# Altium PCB LAUNCHXL-F28379D-REV2.0.PcbDoc (part 2 of 4) (continued)
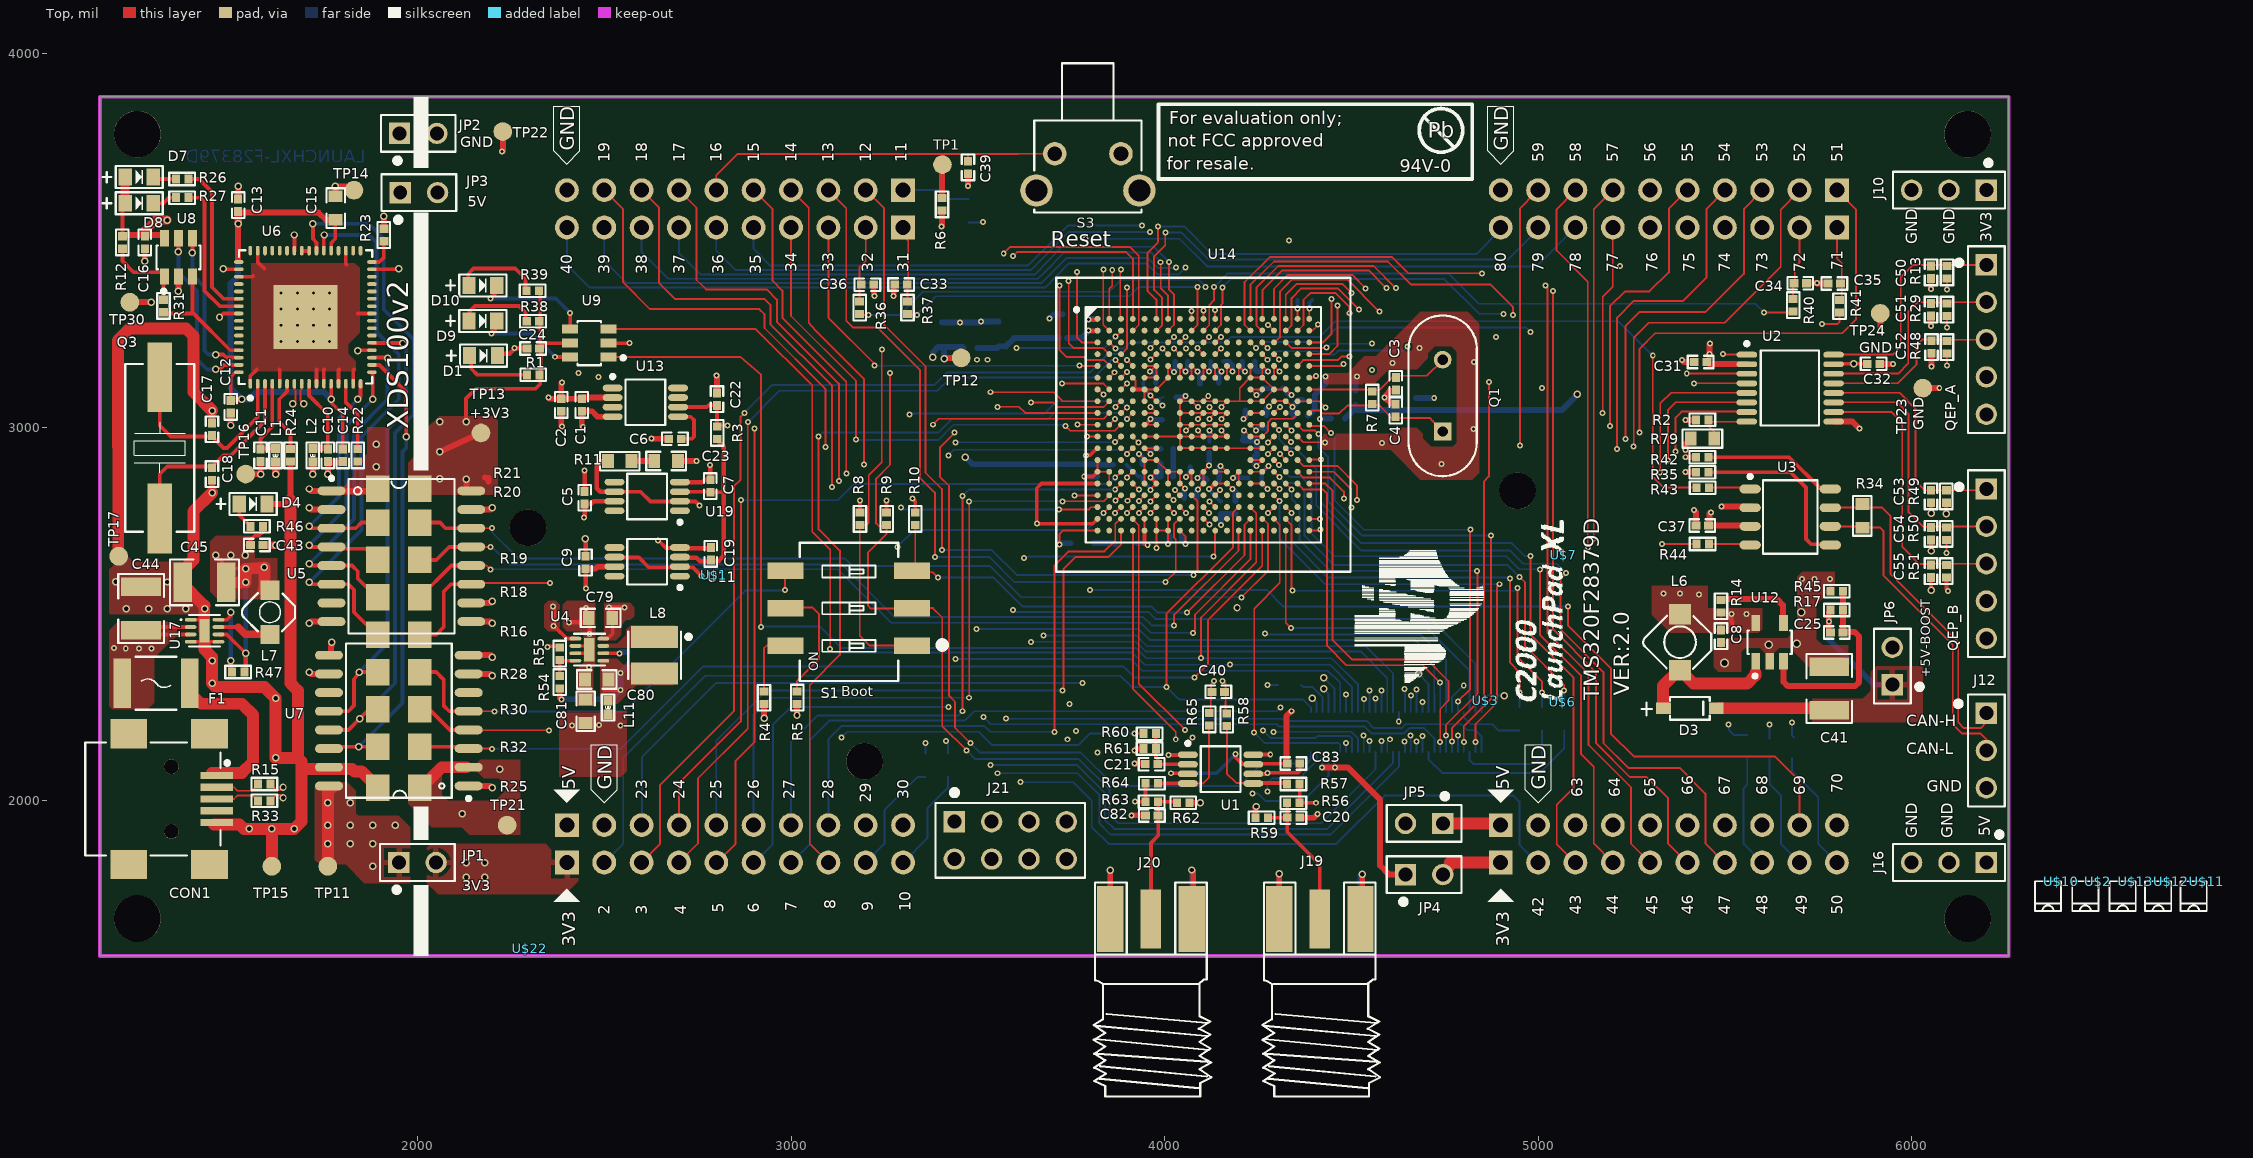
[diagram p0: Top view]
## Nets (pads, with @x,y where several pads share a name; then routed paths per layer and width w, separated by ;. In a path a pad name is that pad's centre, name@x,y a point inside that pad or via, vN(x,y) a via of type N, cw(c..) or ccw(c..) an arc to the next point about the centre after c; other vN are vias at no path point) (continued)
  Top w9: U4.3@2422.8,2395.16 2450.16,2395.16 U4.9@2460,2405 2450.16,2414.84 U4.2@2422.8,2414.84
  Top w10: v1@2349,2413 2349.69,2413.68 2381,2413.68 R55.1@2382.16,2414.84 ; C81.1@2446.54,2281.93 C81.1@2450,2278.46 ; U9.2@2511.09,3225.49 2567.49,3225.49 v1(2568,3226) ; v1(2644.5,2697.5) 2665.01,2676.99 2700.22,2676.99 U11.4@2700.11,2676.89 ; U19.4@2703.11,2852.89 U19.4@2703.44,2852.56 ; C19.1@2785.47,2680.97 C19.1@2786,2680.5 ; R8.1@3184.77,2771.52 v1@3184.77,2803.77 ; R9.1@3255.93,2771.83 v1@3255.93,2803.93 ; v1(3325,2810) 3332.51,2802.49 R10.1@3332.51,2771.65 ; v1(3785,2868.27) 3807.83,2868.27 U14.P1@3820.58,2881.02 ; U1.6@4237.6,2072.2 4272.2,2072.2 v1(4275,2075) 4356.83,2075 4362.95,2081.12 C83.1@4362.95,2099.96 ; v2(6052,2564) C55.1@6052,2595.32 ; v2(6052,2669) C54.1@6052,2695.32 ; v2(6052,2770) C53.1@6052,2795.32
  Top w12: D1.1@2210.96,3198.77 D1.1@2214.4,3198.77 ; D1.1@2214.4,3192 2220.05,3197.65 2247.35,3197.65 2260.85,3211.15 C24.1@2292.82,3211.15 ; v1(2406,2478) C79.1@2453.54,2478 ; v1(2447.5,2884) 2447.56,2883.94 C5.1@2447.56,2828.3 ; v2(2449,2702) 2450.04,2700.96 C9.1@2450.04,2654.94 ; v1(2451,2517) 2451,2480.54 C79.1@2453.54,2478 ; v1(2461,2447) 2461,2470.54 C79.1@2453.54,2478 ; U11.4@2700.22,2676.99 2781.48,2676.99 2784,2679.5 C19.1@2785.47,2680.97 ; U19.4@2703.11,2852.89 2703.23,2853 2763,2853 2769.61,2859.61 C7.1@2784.15,2859.61 2784.15,2898.85 v1(2783.5,2899.5) ; v1(3796,3288.5) 3818.61,3288.5 U14.A1@3820.58,3290.46
  Top w15: C2.1@2385,3043.27 2385,3004.5 v1(2387.5,3002) ; v1(2442.5,3001) 2440,3003.5 C1.1@2440,3043.27 2466.73,3043.27 2481.39,3028.61 U13.4@2522.4,3028.61 ; v1(2626.5,2970) 2627.3,2969.2 C6.1@2672.64,2969.2 ; C23.1@2697.1,2910.01 2746.99,2910.01 v1(2747.5,2909.5) ; v1(2800.5,3139) 2801.74,3137.76 C22.1@2801.74,3092.29 ; C36.1@3221.45,3381.93 3221.45,3354.55 v1(3224,3352) ; v1(3275,3352) 3275,3379.47 C33.1@3277.95,3382.42 ; J20.5@3854.44,1682 J20.5@3854.44,1683.5 3854.44,1813.44 v2(3855,1814) ; v1(3912,1961) 3912.09,1961.09 C82.1@3949.33,1961.09 ; v1(3920,2100) 3940.27,2100 3945.27,2095 C21.1@3948.51,2098.24 ; v3(3920,2135) 3925,2140 R61.2@3943.27,2140 ; R62.1@4066.73,1995 v2(4095,1995) ; v2(4073,1815) 4076.88,1811.12 J20.4@4076.88,1682 ; R59.1@4243.27,1955 4243.27,1983.27 v2(4245,1985) ; J19.5@4306.44,1680 4307,1680.56 v2(4307,1805) v2@4306.44,1804.44 ; C20.1@4361.73,1955 4400,1955 v1(4410,1965) ; J19.4@4528.88,1680 v2(4528.88,1804.12) ; v3(5385,3180) 5390,3175 C31.2@5413.27,3175 ; v1(5395,2920) R42.2@5423.27,2920 ; v3(5395,2940) 5395,2956.5 R79.2@5408.5,2970 ; v1(5417.5,2778.5) 5422.77,2773.23 C37.1@5422.77,2737.5
  Top w16: U7.8@2131.1,2390 U7.8@2137.01,2390 2195,2390 v2(2200,2385) ; U5.9@2131.1,2480 U5.9@2144.02,2480 2195,2480 v2(2200,2475) ; U5.15@2131.1,2780 U5.15@2144.02,2780 2195,2780 v2(2200,2785) ; v1(2226,3738) 2228.44,3740.44 TP22.TP@2228.44,3792 ; C39.2@3473.73,3676.05 3473.73,3646.27 v1(3474,3646) ; v1(5490.5,2787.5) U3.2@5574,2787.5 ; v1(5747,3387) 5726,3387 5726.83,3386.17 5742.7,3385.83 5746.97,3385.74 C35.1@5773.49,3385.17 ; U2.9@5791.14,3015.43 5841.57,3015.43 v1(5860,2997) ; v1(5916,3259) 5916.08,3259.08 TP24.TP@5916.08,3305.17 ; C32.1@5917.69,3170 v1(5950,3170) ; TP23.TP@6030,3105 v1(6074,3105) ; v1(6052,3271) C51.1@6052,3295.32 ; v1(6052,3370) C50.1@6052,3395.32 ; v1(6053,3163) C52.1@6053,3195.32
  Top w32: R25.2@2005.98,2035 2010,2035 2065,2090 U7.2@2131.1,2090
  GND w5: v1(3185,2804) v1(3256,2804)
  GND w10: v2(6052,2564) v2(6052,2669) v2(6052,2770)
  GND w16: v1(4431,3136) v1(4515.5,3136) ; v1@6057,3164 v1@6058,3163
  Bottom w5: C27.1@3937.88,2899.61 C27.1@3939.49,2898 ; C78.1@4148.69,2867.83 4149.13,2867.39 C78.1@4150.51,2866 ; C73.1@4267.57,2992 C73.1@4272.31,2996.76 ; v2(4426,2330) 4454.52,2301.48 J9.51@4454.52,2237.85 ; v1(4533,2175) 4533.26,2173.74 J9.42@4533.26,2131.15 ; v1(4627,2213) 4627.75,2215.25 J9.29@4627.75,2237.85 ; v2(4680,2340) 4706.49,2313.51 J9.19@4706.49,2237.85 ; v1(4785,2175) 4785.23,2174.77 J9.10@4785.23,2131.15 ; J9.1@4848.22,2237.85 4848.22,2272.22 4858,2282 v2(4910,2282)
  Bottom w10: v1@4053.27,2834.27 v1(4055,2836) ; v1@4114.57,3081.57 v1(4117,3084) ; v1(4120,2991) 4120.12,2990.88 C75.1@4120.12,2961.17 ; v1(4152,3054) v1@4153.3,3055.3 ; v1(4278,2896) v1@4280,2894 ; C76.1@4316.73,3105 C76.1@4321,3105 ; v1(4388,3318) 4388,3333.63 C64.1@4395.61,3341.24
  Bottom w12: C62.1@4157.21,3176.35 4173.65,3176.35 4182,3168 v1(4182,3150) ; v1(4276,2835) 4260.45,2850.55 C47.1@4260.45,2865.39 4260.45,2878.45 v1(4278,2896)
  Bottom w15: v1(3692,3291) 3703.5,3302.5 C69.1@3728,3302.5 ; v1(3719,2687) 3722,2690 C38.1@3748.5,2690 ; v1(3785,2868.27) C29.1@3820,2868.27 ; v1(3796,3288.5) 3798.23,3290.73 C60.1@3822,3290.73 ; J20.1@3854.44,1682 J20.1@3854.44,1683.5 3854.44,1813.44 v2(3855,1814) ; v1(3931,2929) 3940,2920 C27.1@3940,2901.73 ; v1(3961,3149) 3971,3149 3976.73,3143.27 C63.1@3976.73,3120 ; v1(4009.5,2688) 4013.27,2691.77 C65.1@4013.27,2710 ; C28.1@4022.63,2867.83 4023.78,2868.98 C30.1@4023.78,2904.5 4023.78,2942.4 C58.1@4023.42,2942.76 ; C57.2@4031.09,3080.17 4052.17,3080.17 v1(4056,3084) ; C42.1@4053.27,2810 v1@4053.27,2834.27 ; v1(4056,3149) 4061.73,3154.73 C61.1@4061.73,3175 ; J20.3@4072.56,1682 4073,1682.44 v2(4073,1815) ; C78.1@4146.73,2860 4146.73,2893.73 v1(4150,2897) ; v1(4151,2739) 4151,2767.27 C85.2@4150,2768.27 C84.2@4190,2768.27 ; C66.1@4241.73,3175 4241.73,3156.27 4248,3150 v1(4277,3150) ; v1(4245,2992) 4252.71,2999.71 C73.1@4272.32,2999.71 ; J19.1@4306.44,1680 J19.1@4306.44,1683.5 4306.44,1804.44 v2(4307,1805) ; C76.1@4316.73,3105 4335.73,3086 v1(4340,3086) ; C71.1@4383.32,3030.68 4402.37,3049.73 C74.1@4402.37,3073.8 4402.37,3087.37 4431,3116 v1(4431,3136) ; J19.3@4524.56,1680 J19.3@4524.56,1683.5 4524.56,1799.8 v2(4528.88,1804.12)
  Bottom w16: C70.1@3404,3280.46 v3(3453,3280.46) 3506.46,3280.46 v1(3509,3283) 3525.16,3283.16 C68.1@3555.17,3283.16 ; C72.1@4511.09,3099.12 4511.11,3118.11 4511.11,3131.61 v1(4515.5,3136) ; R66.2@4672.69,3079 v1(4722,3079)
  other v1: 2459,2359 2348,2412 5706.5,2594 5740.5,2594 5781,2594 4741,2902 4582,2958.5 4827,2996 4610,3172 4828,3175 4057,3211 2260,3212 4682,3213
  other v2: 2120,1965 2220,2085
  other v5: 5499.13,2369.08 5618,2418 5692,2421 5705,2505
GPIO0/PWMOUT1A: J4.10 U14.C8 | length 2036
  Top w5: U14.C8@4041.05,3227.47 4041.97,3227.47 v1@4056,3241.5
  Route2 w5: v1@4056,3241.5 v1(4056,3242.5) v1(4056,3427.5)
  Bottom w5: J4.10@2400,3535 2400,3435.5 2461.5,3374 3680,3374 3743,3439 3951,3439 3980,3410 4038.5,3410 v1(4056,3427.5) v1@4056,3429
GPIO1/PWMOUT1B: J4.9 U14.D8 | length 1931.7
  Top w5: v1(4025.5,3211.5) 4026.5,3210.52 U14.D8@4041.05,3195.98
  Route2 w5: v1(4025.5,3211.5) 4041,3227 4041,3393 4031,3403 v1(4031,3427.5)
  Bottom w5: J4.9@2500,3535 2500,3446.5 2560.5,3386 3670,3386 3737,3453 3956,3453 3982,3427 4029.5,3427 v1(4031,3427.5)
GPIO2/PWMOUT2A: J4.8 U14.A7 | length 1685.5
  Top w5: v1(3989.5,3442) 3990,3441.5 3990,3372 4009.55,3352.45 U14.A7@4009.55,3290.46
  Bottom w5: J4.8@2600,3535 2600,3469 2671,3398 3661,3398 3680,3417 3730.5,3468 3965,3468 3989.5,3443.5 v1(3989.5,3442)
GPIO3/PWMOUT2B: J4.7 U14.B7 | length 1647.7
  Top w5: U14.B7@4009.55,3258.97 4009.97,3258.97 4025,3274 4025,3356 4012,3369 v1(4012,3442.5)
  Bottom w5: J4.7@2700,3535 2700,3467.5 2758.5,3409 3652,3409 3724.5,3483.5 3971,3483.5 v1(4012,3442.5)
GPIO4/PWMOUT3A: J4.6 U14.C7 | length 1615.7
  Top w5: U14.C7@4009.55,3227.47 4009.97,3227.47 v1(4025.5,3242.5)
  Route2 w5: v1(3961,3523) 3961,3448 4025.5,3383.5 v1(4025.5,3242.5)
  Bottom w5: J4.6@2800,3535 2800,3473.5 2852.5,3421 3642,3421 3744,3523 v1(3961,3523)
GPIO5/PWMOUT3B: J4.5 U14.D7 | length 1532.4
  Top w5: v1(3994,3211) 4008.55,3196.95 U14.D7@4009.55,3195.98
  Route2 w5: v1(3939,3540) 3939,3445 3994,3390 v1(3994,3211)
  Bottom w5: J4.5@2900,3535 2900,3478 2945,3433 3634,3433 3741,3540 v1(3939,3540)
GPIO6/PWMOUT4A: J8.10 U14.A6 | length 1249.9
  Top w5: U14.A6@3978.06,3290.46 3978.06,3341.94 3954,3366 3954,3466.5 3981.5,3494 3982,3497 v1(3982,3538)
  Bottom w5: v1(3982,3538) 4053,3538 4127,3464 4834,3464 4900,3530 J8.10@4900,3535
GPIO7/PWMOUT4B: J8.9 U14.B6 | length 1358.1
  Top w5: U14.B6@3978.06,3258.97 3978.97,3258.97 3993.5,3273.5 3993.5,3346.5 3972,3368 3972,3457.5 4002,3487.5 v1(4002,3522)
  Bottom w5: v1(4002,3522) 4045,3522 4118,3449 4919,3449 5000,3530 J8.9@5000,3535
GPIO8/PWMOUT5A: J8.8 U14.G2 | length 1932.6
  Top w5: v1(3725.5,3117) 3836.56,3117 U14.G2@3852.07,3101.49
  Route2 w5: v1(3725.5,3117) 3725.5,3311.5 3788,3374 v1(3788,3505)
  Bottom w5: v1(3788,3505) 4040,3505 4114,3431 4996,3431 J8.8@5100,3535
GPIO9/PWMOUT5B: J8.7 U14.G3 | length 1837.7
  Top w5: U14.G3@3883.49,3101.49 U14.G3@3883.57,3101.49 3900,3117.92 v1(3900,3118) ; v1(5173,3038) 5173,3350 5200,3377 J8.7@5200,3535
  Route1 w5: v1(3900,3118) 4354,3118 4377,3095 4510,3095 4567,3038 v1(5173,3038)
GPIO10/PWMOUT6A: J8.6 U14.B2 | length 1799.5
  Top w5: v1(3836,3422) 3836,3274.54 U14.B2@3852.07,3258.97
  Route1 w5: v1(3836,3422) 3903,3489 4081,3489 4104,3466 4757,3466 4828,3395 5230,3395 5300,3465 J8.6@5300,3535
GPIO11/PWMOUT6B: J8.5 U14.C1 | length 2060
  Top w5: v1(3766,3415.5) 3766,3239.5 3778.03,3227.47 U14.C1@3820.58,3227.47
  Route1 w5: v1(3766,3415.5) 3768.5,3415 3802,3415 3811.5,3405.5 4058,3405.5 4081,3428.5 4730.5,3428.5 4812.5,3346.5 5321.5,3346.5 5400.5,3425.5 5400.5,3525.5 5400,3526 J8.5@5400,3535
GPIO12: R43.2 U14.C2 | length 1984.7
  Top w5: U14.C2@3852.07,3227.47 3852.47,3227.47 v1(3868.5,3211.5) ; v1(5307,3192) 5307,2868 5336.5,2838.5 R43.2@5423.77,2838.5 ; R43.2@5423.77,2838.5 R43.2@5425.81,2838.5
  Bottom w5: v1(3868.5,3211.5) 3891.5,3211.5 3907,3227 4164,3227 4179,3242 4415,3242 4457,3284 5215,3284 v1(5307,3192)
GPIO13: U14.D1
GPIO14/OPXBAR3: J8.4 U14.D2 | length 2250.3
  Top w5: v1(3743.5,3392) 3743.5,3225.5 3757,3212 3836,3212 3852.02,3195.98 U14.D2@3852.07,3195.98
  Route1 w5: v1(3743.5,3392) 3744.5,3393 4063,3393 4084,3414 4725.5,3414 4805.5,3334 5436.5,3334 5500.5,3398 5500.5,3529.5 5500,3530 J8.4@5500,3535
GPIO15/OPXBAR4: J8.3 U14.D3 | length 2091.3
  Top w5: U14.D3@3883.57,3195.98 3883.98,3195.98 3899,3211 v1(3899,3374.5)
  Route1 w5: v1(3899,3374.5) 3903.5,3374 4062.5,3374 4086,3397.5 4722.5,3397.5 4800.5,3319.5 5510.5,3319.5 5600,3409 J8.3@5600,3535
GPIO16/OPXBAR7: J4.3 U14.E1 | length 1018.1
  Top w5: J4.3@3100,3535 3100,3293.65 3224,3169.65 v1(3224,3165) ; v1(3772,3165) 3772.52,3164.48 U14.E1@3820.58,3164.48
  Bottom w5: v1(3224,3165) v1(3772,3165)
GPIO17: R44.2 U14.E2 | length 2803.5
  Top w5: v1(3719,3380) 3719,3207 3738,3188 3785,3188 3793,3180 3838,3180 3852.07,3165.93 U14.E2@3852.07,3164.48 ; v1(5332,2688) 5332.5,2687.5 R44.2@5423.77,2687.5
  Route1 w5: v1(3719,3380) 3719,3407 3815,3503 4090,3503 4112,3481 4765,3481 4814,3432 v1(5219,3432)
  Route2 w5: v1(5219,3432) 5289,3362 5289,2731 v1(5332,2688)
GPIO18: J1.4 U14.E3 | length 2329.9
  Top w5: J1.4@2700,1835 2751,1886 2751,2060 2884,2193 2884,3013 v1(2885,3014) ; v1(3869,3180) 3883.57,3165.43 U14.E3@3883.57,3164.48
  Bottom w5: v1(2885,3014) 2969,3098 3392,3098 3427,3133 3810,3133 3857,3180 v1(3869,3180)
GPIO19: J1.3 U14.E4 | length 2436.6
  Top w5: J1.3@2600,1835 2649,1884 2649,2042 2847.22,2240.22 2847.22,2842.22 2865,2860 2865,3029 v1(2875,3039) ; v1(3900,3180) 3900,3179.5 U14.E4@3915.02,3164.48
  Bottom w5: v1(2875,3039) 2949,3113 3384,3113 3418,3147 3800.47,3147 3848.47,3196 3883.5,3196 3899.5,3180 v1(3900,3180)
GPIO20: U2.1 U14.F2 | length 1818.8
  Top w5: U14.F2@3852.07,3132.98 3852.07,3133.07 v1(3866.5,3147.5) ; v1(5495,3197) 5498,3195 U2.1@5560,3195
  Route1 w5: v1(3866.5,3147.5) 3884,3165 4348,3165 4393,3120 4524,3120 4580,3064 5132,3064 5148,3080 5307,3080 5387,3160 5458,3160 v1(5495,3197)
GPIO21: U2.3 U14.F3 | length 1761
  Top w5: U14.F3@3883.57,3132.98 3897,3145.92 v1(3899.5,3148) ; v1(5398,3143.82) U2.3@5560,3143.82
  Route1 w5: v1(3899.5,3148) 3914.5,3133 4360,3133 4385,3108 4517,3108 4574,3051 5145,3051 5160,3066 5320.18,3066 v1(5398,3143.82)
GPIO22: J1.8 U14.J4 | length 2104.1
  Top w5: v1(3074,2976) 3074,2727 3131,2670 3131,2391 3050,2310 3050,1885.5 3100.34,1835.16 J1.8@3100,1835 ; v1@3900,3021 v1(3900,3023) 3900,3023.5 3915,3038.5 U14.J4@3915.06,3038.5
  Bottom w5: v1@3075,2976 v1(3074,2976) 3084,2986 3394,2986 3430,3022 3688,3022 3705,3039 3883,3039 3900,3022 v1@3900,3021
GPIO23: U14.K4
GPIO24/OPXBAR1: J4.4 U14.K3 | length 1380.9
  Top w5: J4.4@3000,3535 3000,3298.15 3174,3124.15 v1(3174,2967) ; v1(3735,3003) 3747,2991 3867,2991 3883,3007 U14.K3@3883.57,3007
  Bottom w5: v1(3174,2967) 3175,2966 3394,2966 3435,3007 3732,3007 3735,3004 v1(3735,3003)
GPIO25/OPXBAR2: J6.1 U14.K2 | length 2703.1
  Top w5: U14.K2@3852.07,3006.07 U14.K2@3852.07,3007.07 ; U14.K2@3852.07,3007 U14.K2@3852.07,3007.07 ; v3@3867,3022 U14.K2@3852.07,3007.07 ; v1(5272,2986) 5272,3210.5 5313,3251.5 5814.5,3252 5851,3288.5 5851,3584 J6.1@5800,3635 J6.1@5797,3635
  Route1 w5: v3@3867,3022 3883,3038 4476.5,3038 4578,2936 4825,2936 4875,2986 v1(5272,2986)
  other v3: 3867,3023
GPIO26/SD2D2: J6.3 U14.K1 | length 2495.8
  Top w5: v1(3767,3007.5) 3767.5,3007 U14.K1@3820.58,3007 ; v1(5234,2969) 5234,3271 5234.5,3271.5 5272.5,3309 5449,3309 5551,3411 5551,3583.5 5598.33,3633.75 5599.71,3635.21 5599.93,3635 J6.3@5600,3635
  Route1 w5: v1(3767,3007.5) 4483.5,3007.5 4571,2922 4832,2922 4879,2969 v1(5234,2969)
GPIO27/SD2CLK2: J6.2 U14.L1 | length 2601.5
  Top w5: v1(3792.5,2975.5) U14.L1@3820.58,2975.5 ; v1(5256,2949) 5256,3239.5 5296.5,3280 5500,3280 5649.5,3429.5 5649.5,3583 5698.78,3633.25 J6.2@5699.27,3633.75 ; J6.2@5700,3635 J6.2@5700,3634.5 ; J6.2@5700.07,3634.57 J6.2@5700,3634.5 ; J6.2@5699.27,3633.75 J6.2@5700,3634.5 ; J6.2@5699.27,3633.75 J6.2@5700,3634.48
  Route1 w5: v1(3792.5,2975.5) 3793,2976 4294,2976 4325,2945 4358,2945 4369,2934 4369,2876 4386,2859 4837,2859 4898,2920 5227,2920 v1(5256,2949)
GPIO28: U14.V11
GPIO29: R75.1 R76.1 U14.W11 | length 2327.9
  Top w5: v1(4131.5,2654) 4135.54,2658.04 U14.W11@4135.54,2723.54
  Route2 w5: v1(3514,3550) 3540,3550 3624,3466 v1(3624,2650.5) ; v1(4131.5,2654) 4131.5,2539.5 4215,2456 4215,2085 v3(4275,2025)
  Bottom w5: R75.1@3475,3548.5 3512.5,3548.5 v1(3514,3550) ; v1(3624,2650.5) 3636.25,2654 v1(4131.5,2654) ; v3(4275,2025) 4275,2046 4289,2060 R76.1@4308.5,2060
GPIO29/J9: J9.58 R76.2 | length 96
  Bottom w5: R76.2@4371.5,2050 R76.2@4371.5,2060 4371.5,2071.5 4407.27,2107.27 J9.58@4407.27,2131.15
GPIO29/OPXBAR6: J2.1 R75.2 | length 184.7
  Bottom w5: J2.1@3300,3635 3399,3635 3422.5,3611.5 R75.2@3475,3611.5
GPIO30: J9.46 U14.T11 | length 1034.3
  Top w5: U14.T11@4135.54,2818.02 4135.54,2819.54 v1(4148,2832)
  Route2 w5: v1(4148,2832) 4151,2832 4165,2818 4223,2818 4247,2794 4247,2205 v1(4264,2188)
  Bottom w5: v1(4264,2188) 4284,2168 4404,2168 4410,2174 4495,2174 4501.76,2167.24 J9.46@4501.76,2131.15
GPIO31: J9.45 U9.3 U14.U11 | length 3337.1
  Top w5: U9.3@2511.09,3262.89 2905.61,3262.89 3057,3112.5 3057,2720 3105,2672 v1(3105,2407) ; v1(4120,2802) U14.U11@4135.54,2786.53 ; U14.U11@4134.53,2786.53 U14.U11@4135.54,2786.53 ; U14.U11@4135.54,2786.53 U14.U11@4135.54,2786.53
  Route2 w5: v1(4120,2802) 4103.5,2786 4103.5,2539.5 4174,2469 4174,2366 v1(4175.5,2364.5)
  Bottom w5: v1(3105,2407) 3115,2397 3914,2397 3946.5,2364.5 v1(4175.5,2364.5) 4443,2364.5 4501.76,2305.74 J9.45@4501.76,2237.85
GPIO32: J1.2 J9.59 U14.U13 | length 2844.2
  Top w5: v1(4005,2305) 4005,2501.02 4183,2678 4183,2772 4197.53,2786.53 U14.U13@4198.53,2786.53
  Bottom w5: J1.2@2500,1835 2501.01,1835.51 2551,1885.5 2551,2116 2770,2335 3882,2335 3912,2305 v1(4005,2305) 4039,2271 4371,2271 4392,2250 4392,2238.32 J9.59@4391.53,2237.85
GPIO33: U14.T13 | length 0.4
  Top w5: U14.T13@4198.53,2818.02 U14.T13@4198.98,2818.02
GPIO34: J9.43 U9.1 U14.U14 | length 3326.8
  Top w5: U9.1@2511.09,3188.09 2557,3188.09 ; 2574.41,3188.09 2557,3188.09 ; v1(2920,2466) 2920,3140.5 2865.5,3188 2559.09,3188 2557,3188.09 ; v1(4098,2382) 4098,2491 4245.5,2638.5 4245.5,2770.5 4230.02,2785.98 U14.U14@4230.02,2786.53
  Bottom w5: v1(2920,2466) 2920.8,2466.8 3078.2,2466.8 3136,2409 3924,2409 3951,2382 v1(4098,2382) 4447,2382 4517.51,2312.49 J9.43@4517.51,2237.85
GPIO35: U14.T14
GPIO36: J9.50 U14.V16 | length 870
  Top w5: v1(4240,2183) 4240,2515 4308.5,2583.5 4308.5,2739.55 U14.V16@4293.02,2755.03
  Bottom w5: v1(4240,2183) 4268,2155 4466,2155 4470.27,2150.73 J9.50@4470.27,2131.15
GPIO37: J9.44 U14.U16 | length 885
  Top w5: v1(4277.5,2771) 4293.46,2786.05 4293.97,2786.53 U14.U16@4293.02,2786.53
  Route2 w5: v1(4277.5,2771) 4291.5,2757 v1(4291.5,2185)
  Bottom w5: v1(4291.5,2185) 4500,2185 4517.51,2167.49 J9.44@4517.51,2131.15
GPIO38: J9.4 U14.T16 | length 1237.3
  Top w5: U14.T16@4293.02,2818.02 4293.02,2817.48 v1(4307.5,2803) ; v1(4832.5,2157.5) 4832.5,2205.5 4890,2263 4890,2573 v1(4897,2580)
  Bottom w5: v1(4307.5,2803) 4307.5,2702.5 4430,2580 v1(4897,2580) ; J9.4@4832.47,2131.15 4832.47,2154.47 v1(4832.5,2157.5)
GPIO39: J9.5 U14.W17 | length 902.8
  Top w5: U14.W17@4324.51,2723.54 4324.51,2476.49 v1(4338,2463)
  Bottom w5: v1(4338,2463) 4702,2463 4816.72,2348.28 J9.5@4816.72,2237.85
GPIO40/I2CSDAB: R67.1 R68.1 U14.V17 | length 1939.2
  Top w5: U14.V17@4324.51,2755.03 4324.51,2753.99 4340,2738.5 4340,2568.5 v1(4343,2563.5) ; v1(4945,2570) 4945,2385 5010,2320 v3(5010,2290)
  Route1 w5: v3(5010,2290) 5010,2270 5095,2185 5560,2185 5600,2225 5665,2225 v3(5680,2210)
  Bottom w5: v1(4343,2563.5) 4343.76,2562.74 4937.74,2562.74 v1(4945,2570) ; R68.1@5010,2251.5 v3(5010,2290) ; R67.1@5680,2176.5 v3(5680,2210) ; R67.1@5680.75,2175.75 5680,2175 R67.1@5685,2170
GPIO40/I2CSDAB/J5: J5.10 R67.2 | length 328.2
  Bottom w5: R67.2@5680,2113.5 5680,2080 5750,2010 5750,1885 J5.10@5800,1835
GPIO40/I2CSDAB/J9: J9.6 R68.2 | length 297.2
  Bottom w5: J9.6@4816.72,2131.15 4816.72,2108.28 4826,2099 4989,2099 5010,2120 R68.2@5010,2188.5
GPIO41/I2CSCLB: R69.1 R70.1 U14.U17 | length 1868.6
  Top w5: U14.U17@4324.51,2786.53 4340,2771.54 v1(4340.5,2771) ; v1(4925,2595) 4925,2370 4950,2345 v3(4950,2290)
  Route1 w5: v3(4950,2290) 4950,2270 5050,2170 5595,2170 5620,2195 v3(5620,2205)
  Bottom w5: v1(4340.5,2771) 4340.5,2694.5 4437,2598 4922,2598 v1(4925,2595) ; R70.1@4950,2251.5 v3(4950,2290) ; R69.1@5620,2166.5 R69.1@5620,2176.5 v3(5620,2205)
GPIO41/I2CSCLB/J5: J5.9 R69.2 | length 311.6
  Bottom w5: R69.2@5620,2113.5 5620,2045 5650,2015 5650,1885 J5.9@5700,1835
GPIO41/I2CSCLB/J9: J9.7 R70.2 | length 177.6
  Bottom w5: J9.7@4800.97,2237.85 4800.98,2224.02 4820,2205 4877,2205 4893.5,2188.5 R70.2@4950,2188.5
GPIO42/SCIATX(<-MCU): R30.2 U7.4 U14.D19 | length 3635.8
  Top w5: U7.4@2160,2190 2161,2189 v1(2352,2189) ; U14.D19@4387.5,3195.98 4440.98,3195.98 4463,3218 v1(4463,3326.5)
  Top w10: R30.2@2005.98,2245 2032,2245 2087,2190 U7.4@2137.01,2190 U7.4@2160,2190
  Route1 w5: v1(2484,3135) 2596,3135 2692,3231 3312,3231 3425,3344 4390,3344 4407.5,3326.5 v1(4463,3326.5)
  Route2 w5: v1(2352,2189) 2484,2321 v1(2484,3135)
GPIO43/SCIARX(->MCU): R16.2 U5.11 U14.C19 | length 3326
  Top w5: U5.11@2131.1,2580 2134.1,2583 v1(2355,2583) ; U14.C19@4387.5,3227.47 4424.47,3227.47 4446.5,3249.5 v1(4446.5,3343)
  Top w10: R16.2@2005.98,2445 2050,2445 2070,2465 2070,2560 2090,2580 U5.11@2131.1,2580
  Route1 w5: v1(2431,3145) 2441,3155 2585,3155 2678,3248 3309,3248 3418,3357 4398,3357 4412,3343 v1(4446.5,3343)
  Route2 w5: v1(2355,2583) 2409,2637 2409,3123 v1(2431,3145)
GPIO44: J9.8 U14.K18 | length 1341.5
  Top w5: U14.K18@4356.01,3007 4371.5,2991.5 4403,2991.5 v1(4412.5,2982) ; v1(4801.5,2158) 4801,2158.5 4801,2200 4874,2273 v1(4874,2710)
  Bottom w5: v1(4412.5,2982) 4412.5,2945.5 4438,2920 4438,2801 4529,2710 v1(4874,2710) ; J9.8@4800.97,2131.15 4800.98,2155.98 v1(4801.5,2158)
GPIO45: J9.9 U14.K19 | length 1148.9
  Top w5: U14.K19@4387.5,3007 4390.5,3004 4426,3004 v1(4445.5,2984.5) ; v1(4785,2266.5) 4818,2299.5 4818,2722.5 v1(4818.5,2726)
  Bottom w5: v1(4445.5,2984.5) 4455,2975 4455,2805 4534,2726 v1(4818.5,2726) ; v1(4785,2266.5) 4785.23,2266.27 J9.9@4785.23,2237.85